# Altium PCB PicoHAL.pcbdoc (part 1 of 5)
Units mm, origin at the board's own origin, x right, y up, seen from the top; angles counter-clockwise.
Board outline 53.34 x 73.15 mm, 4 copper layers (Top Layer, GND, PWR, Bottom Layer), stack 1.807 mm thick; 173 components, 120 nets, 5460 pads, 269 vias.
Unrouted connection lines stored in the file: 1.
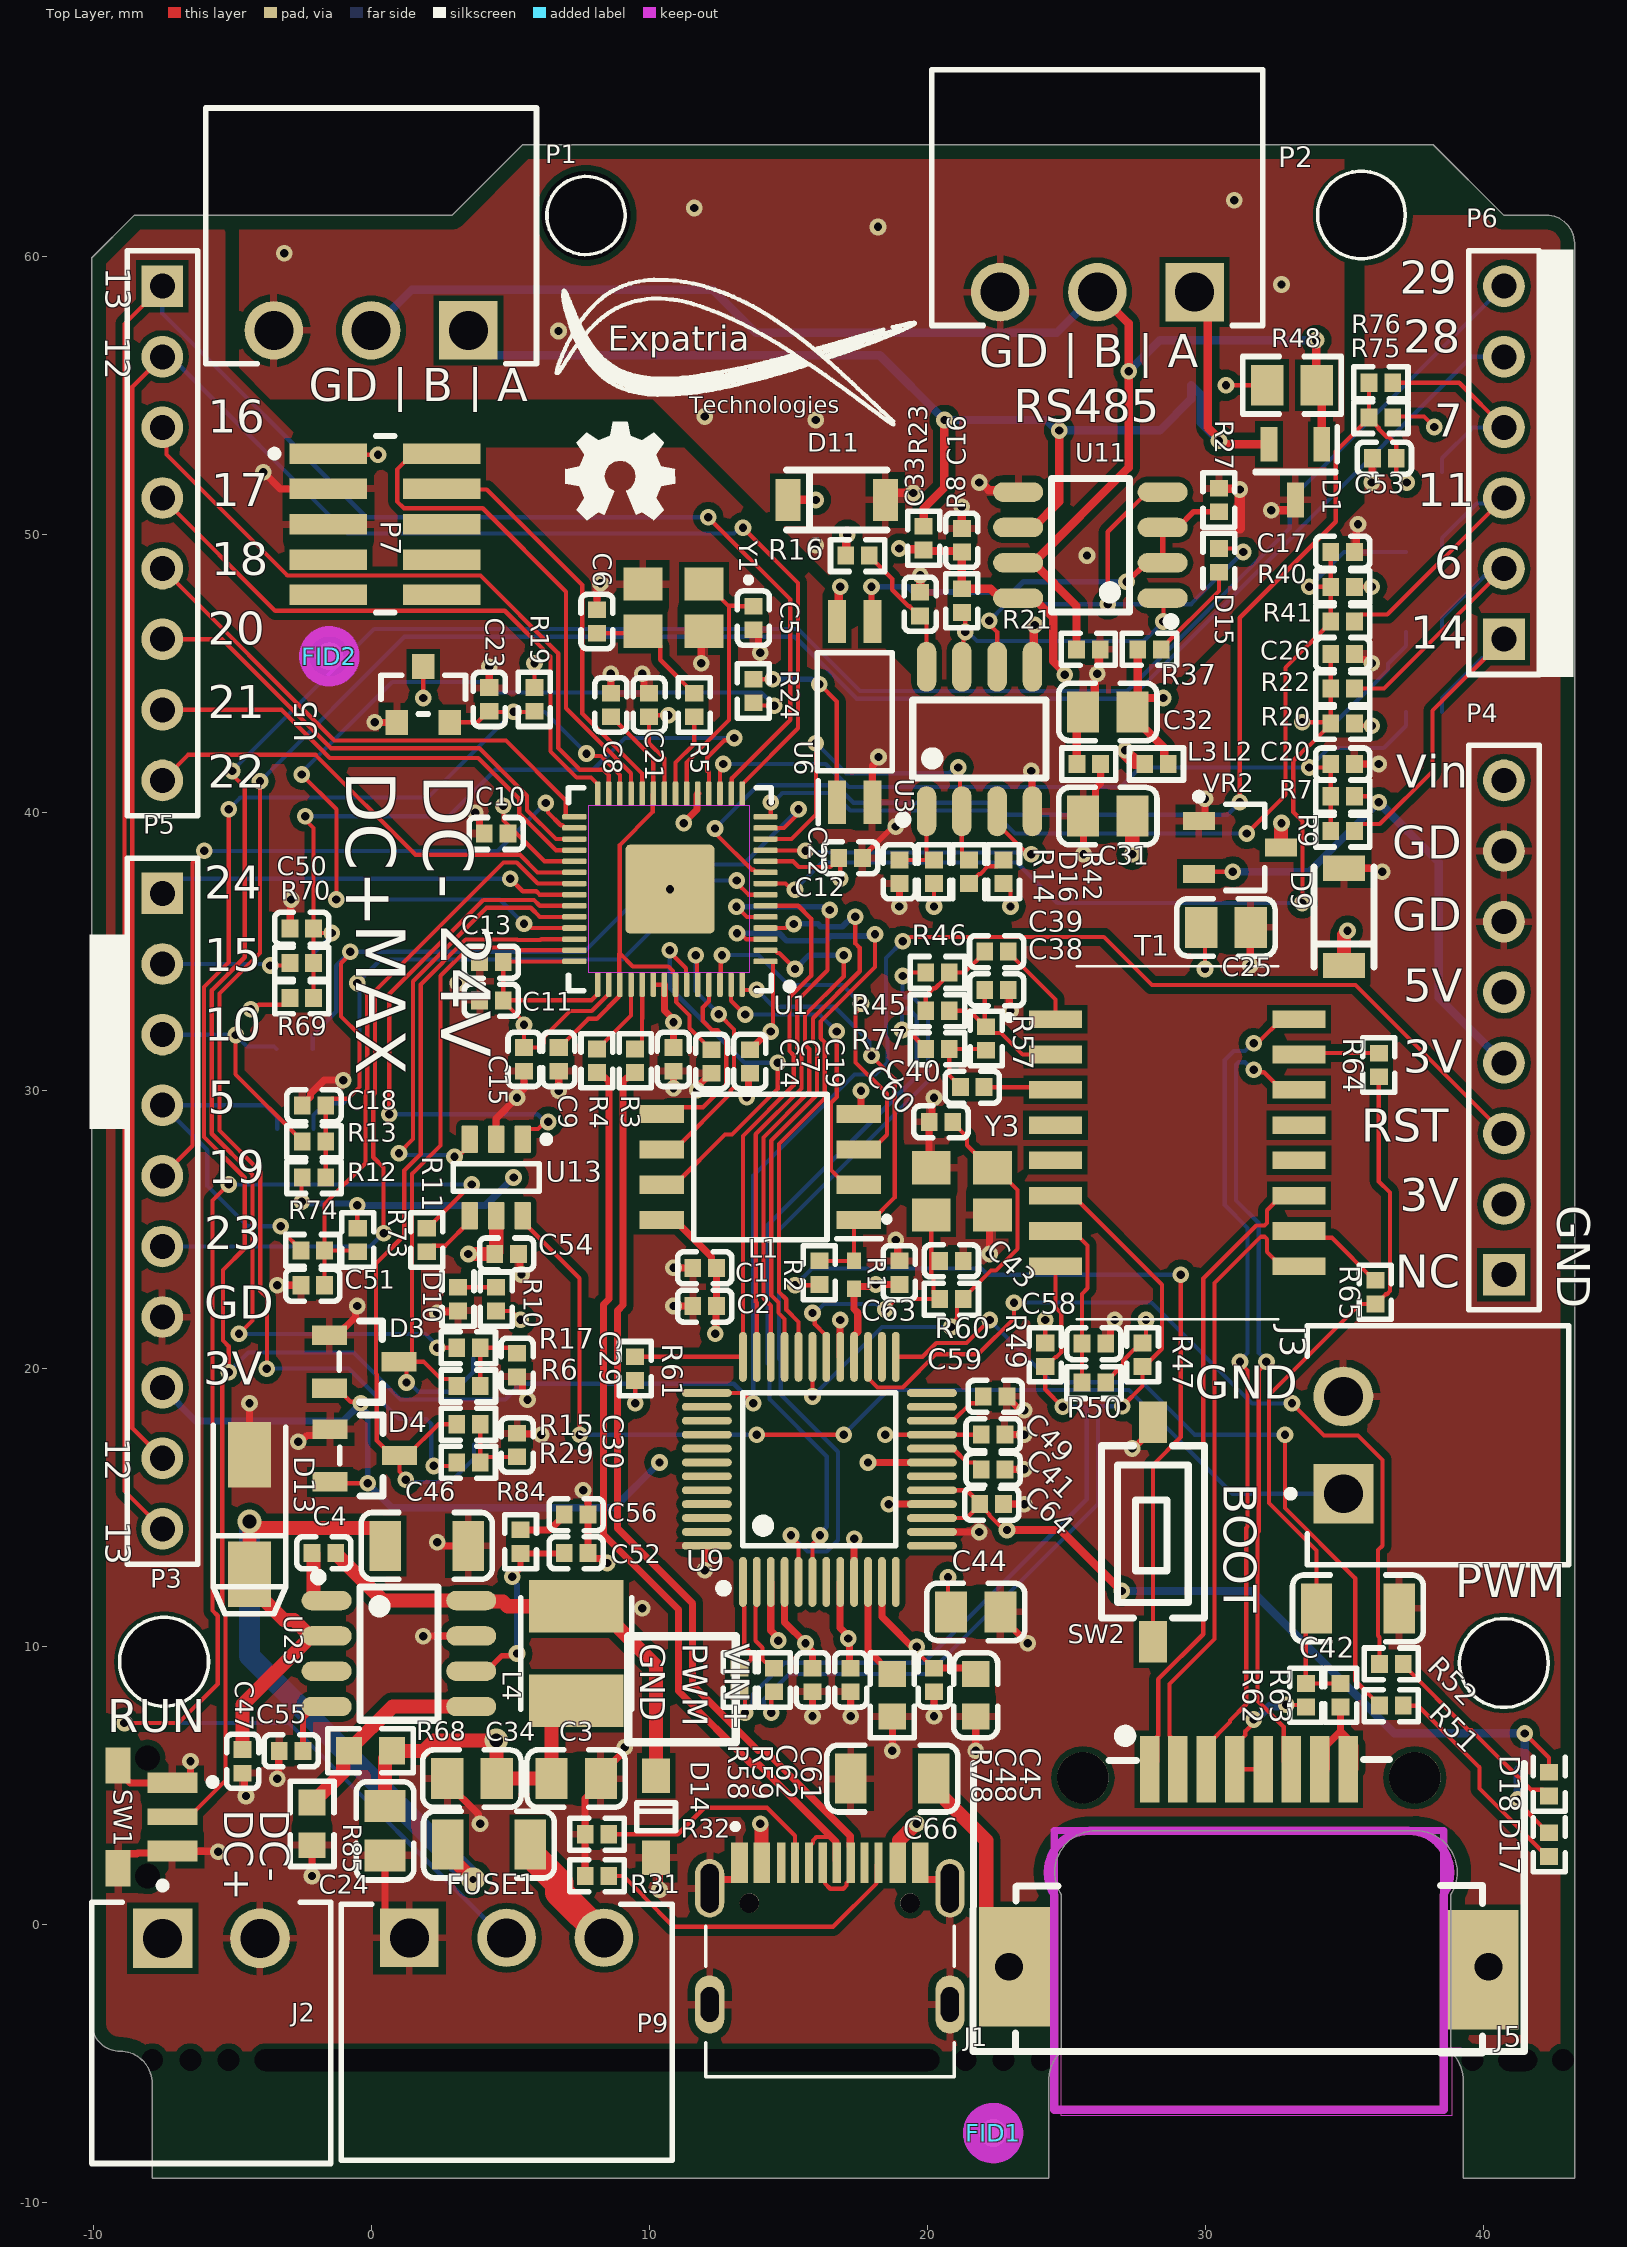
[diagram p0: Top Layer view]
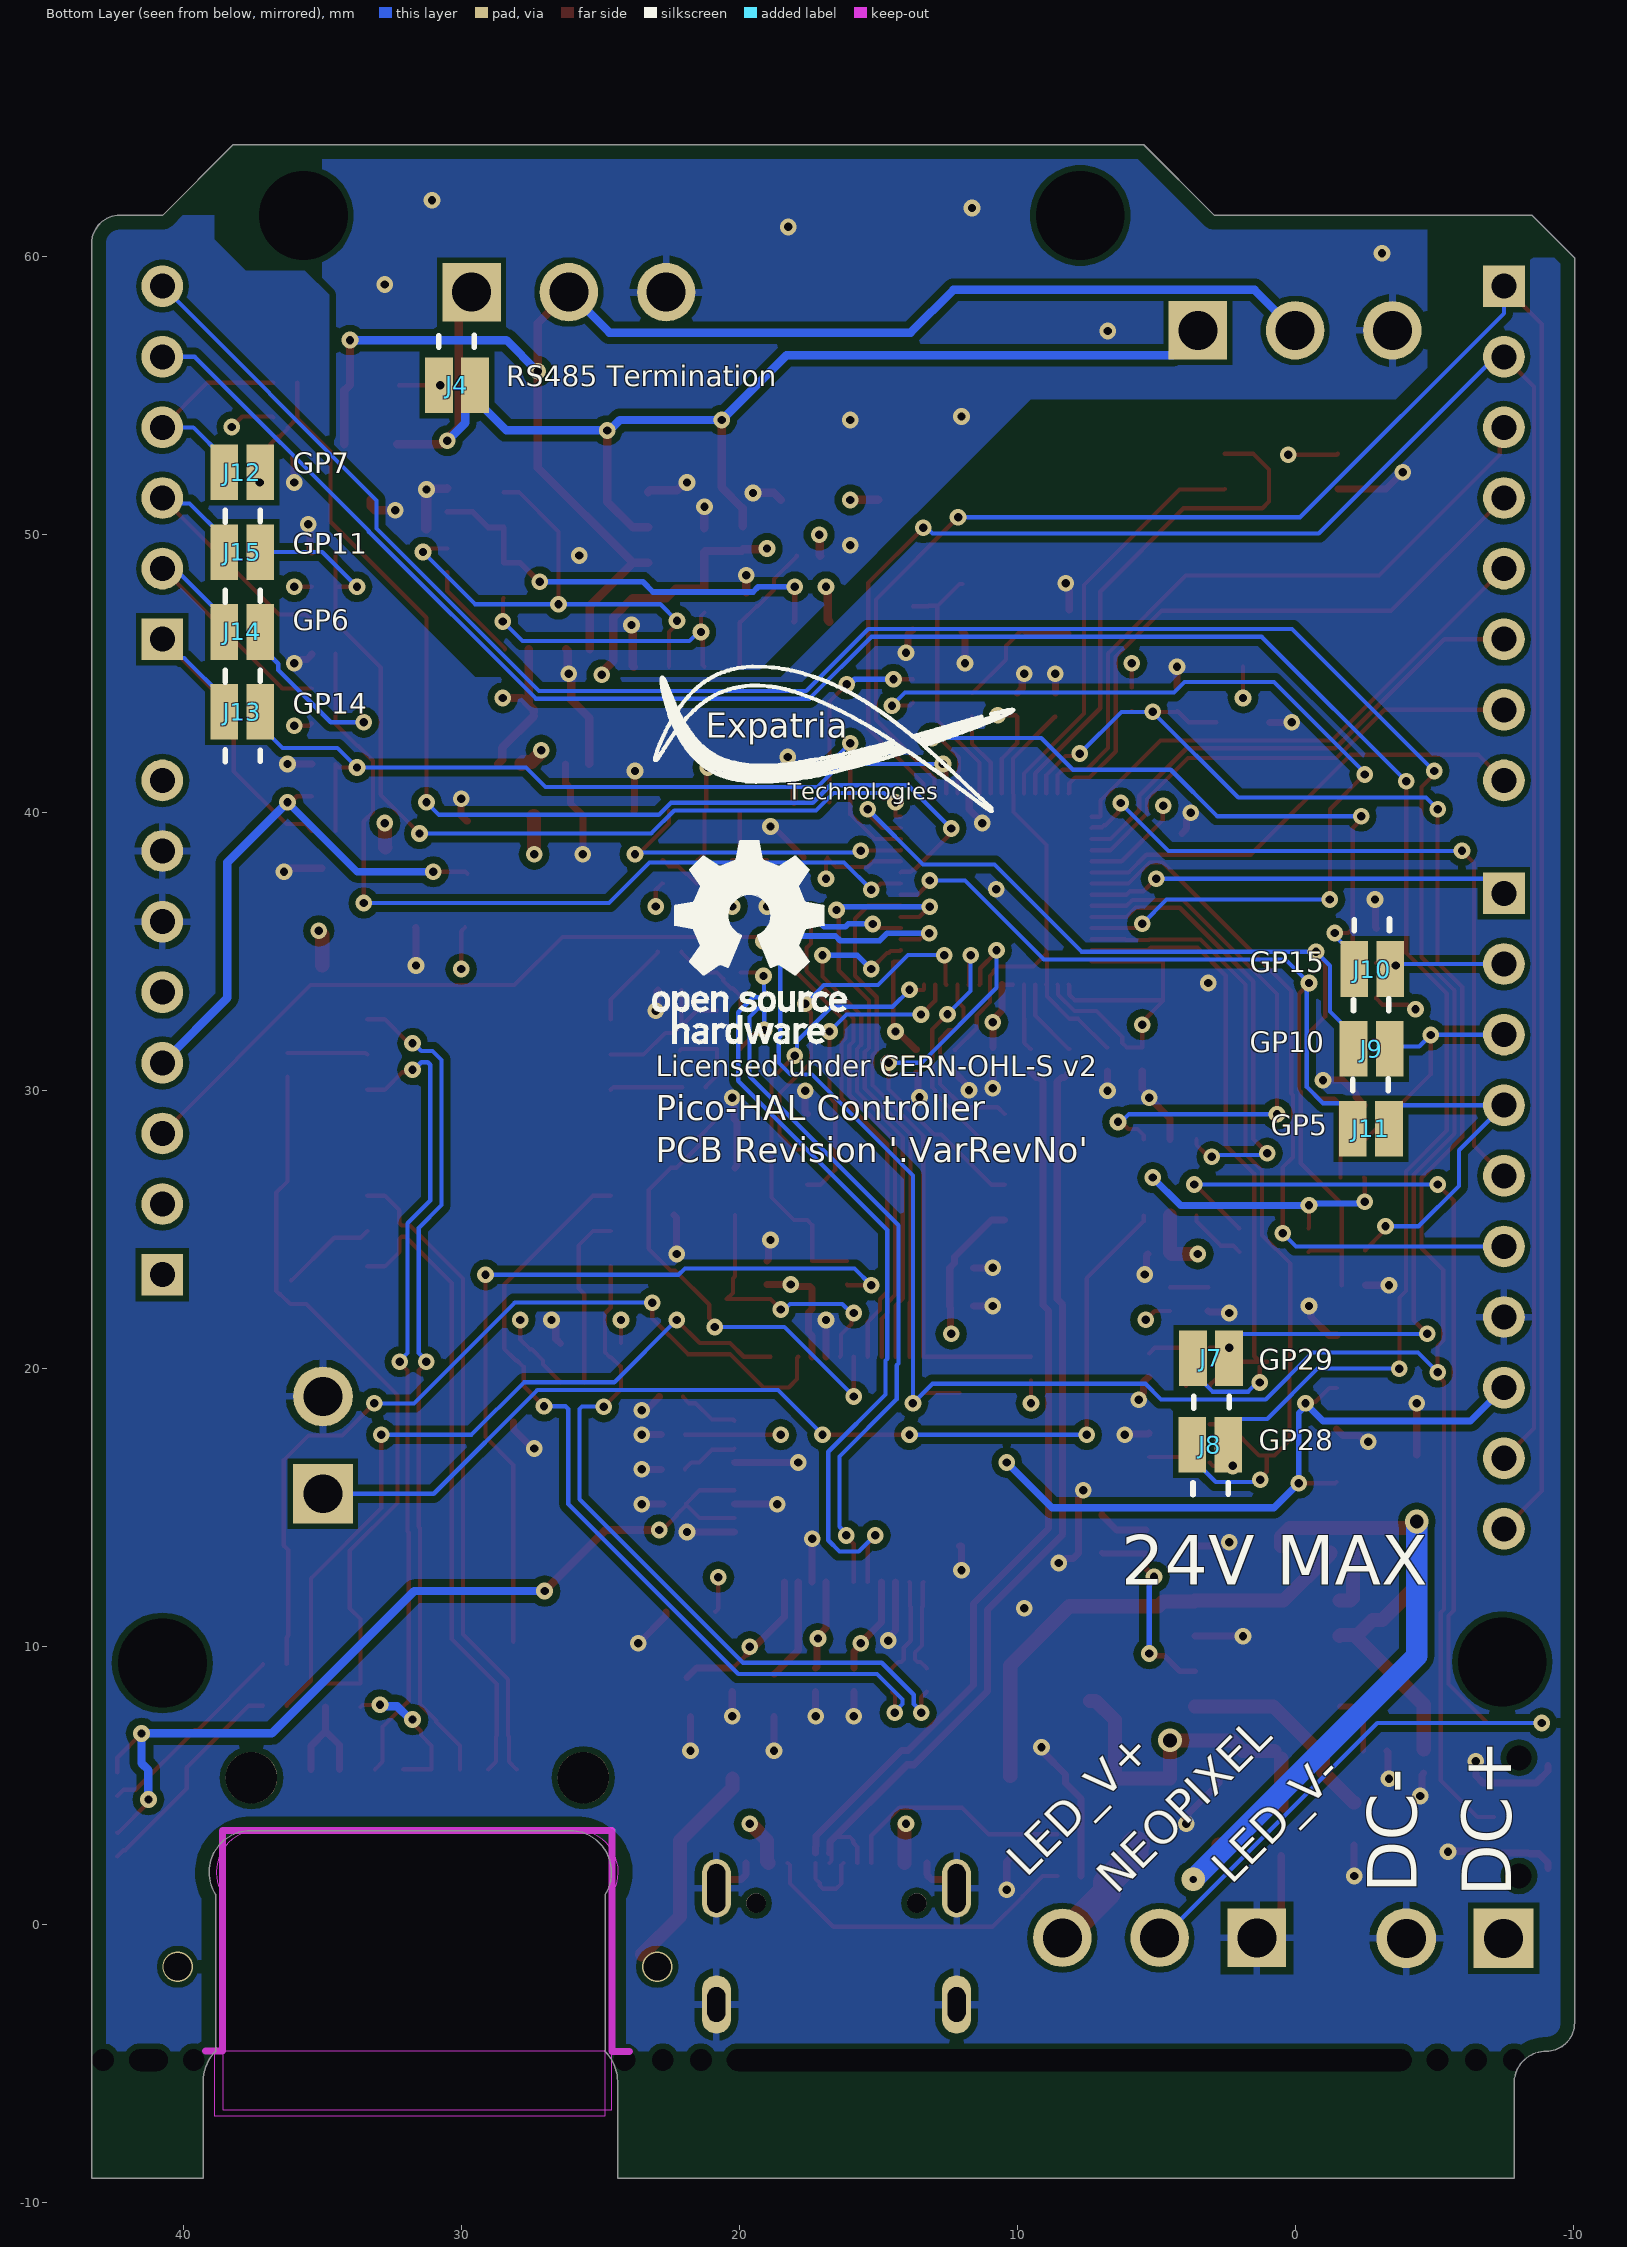
[diagram p1: Bottom Layer view, seen from below]
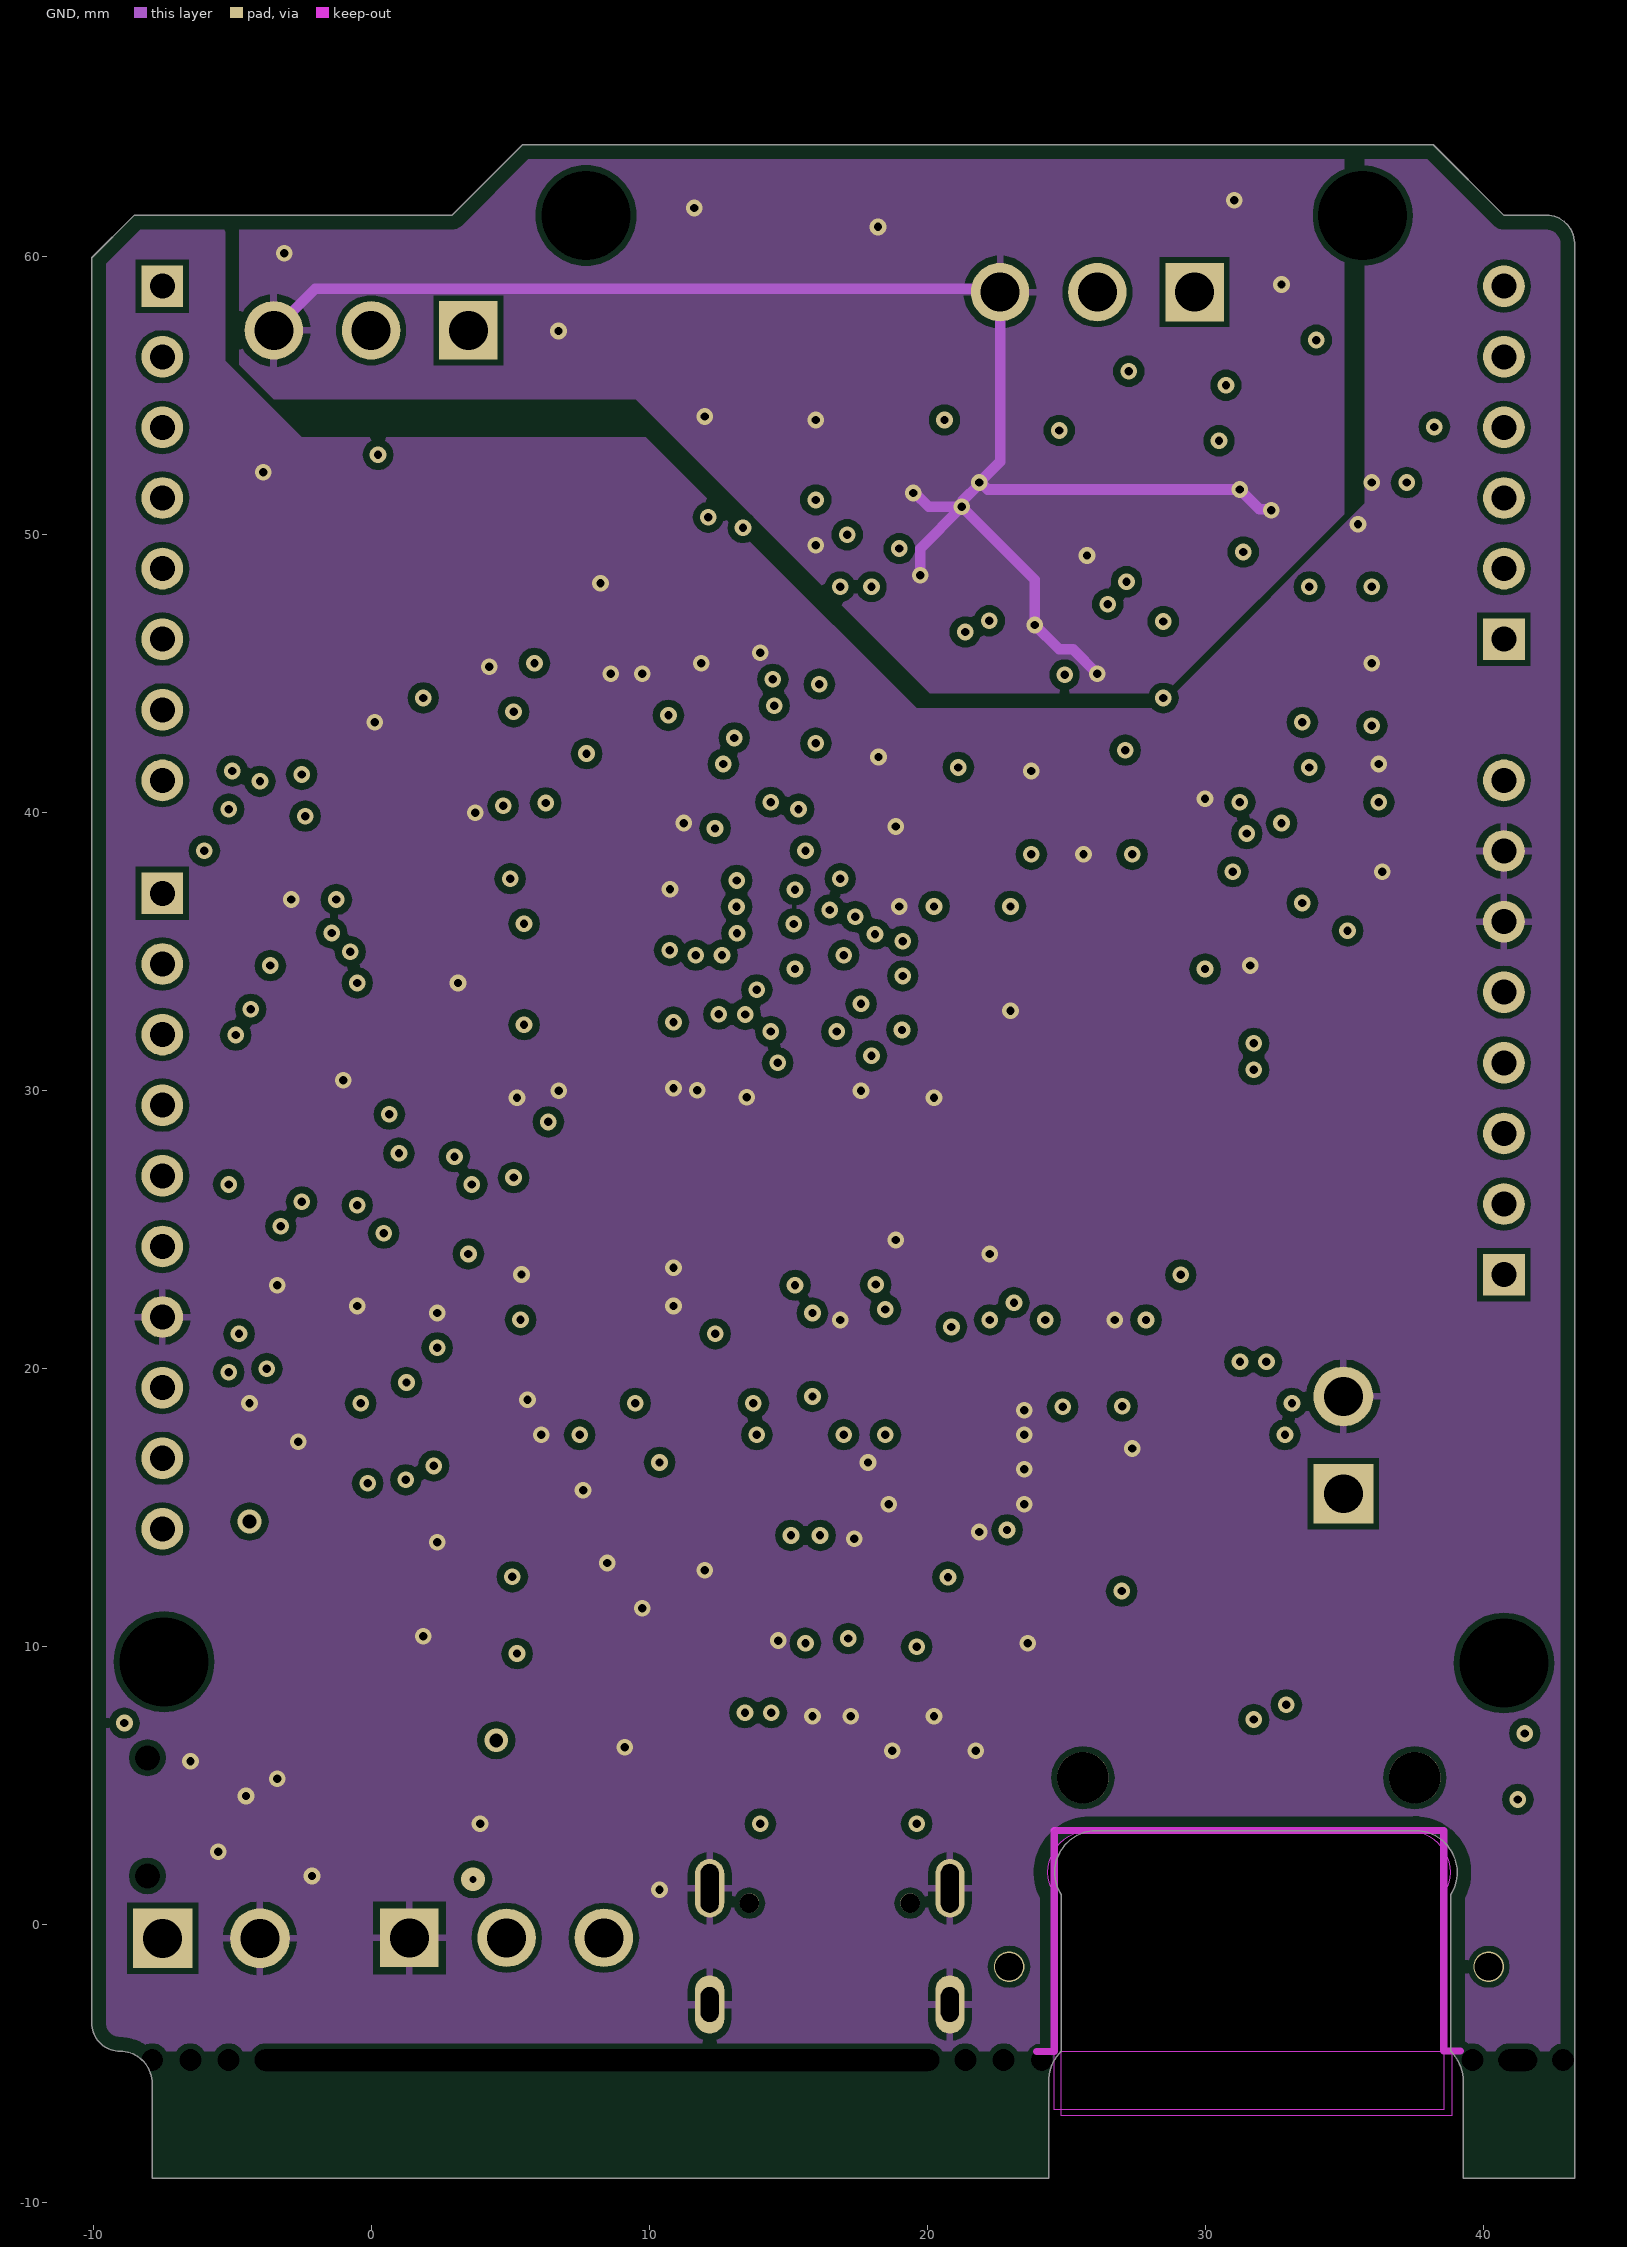
[diagram p2: GND]